# Altium PCB PCB1.PcbDoc (part 1 of 14)
Units mm, origin at the board's own origin, x right, y up, seen from the top; angles counter-clockwise.
Board outline 77.2 x 62.23 mm, 2 copper layers (Top Layer, Bottom Layer); 102 components, 131 nets, 23089 pads, 324 vias.
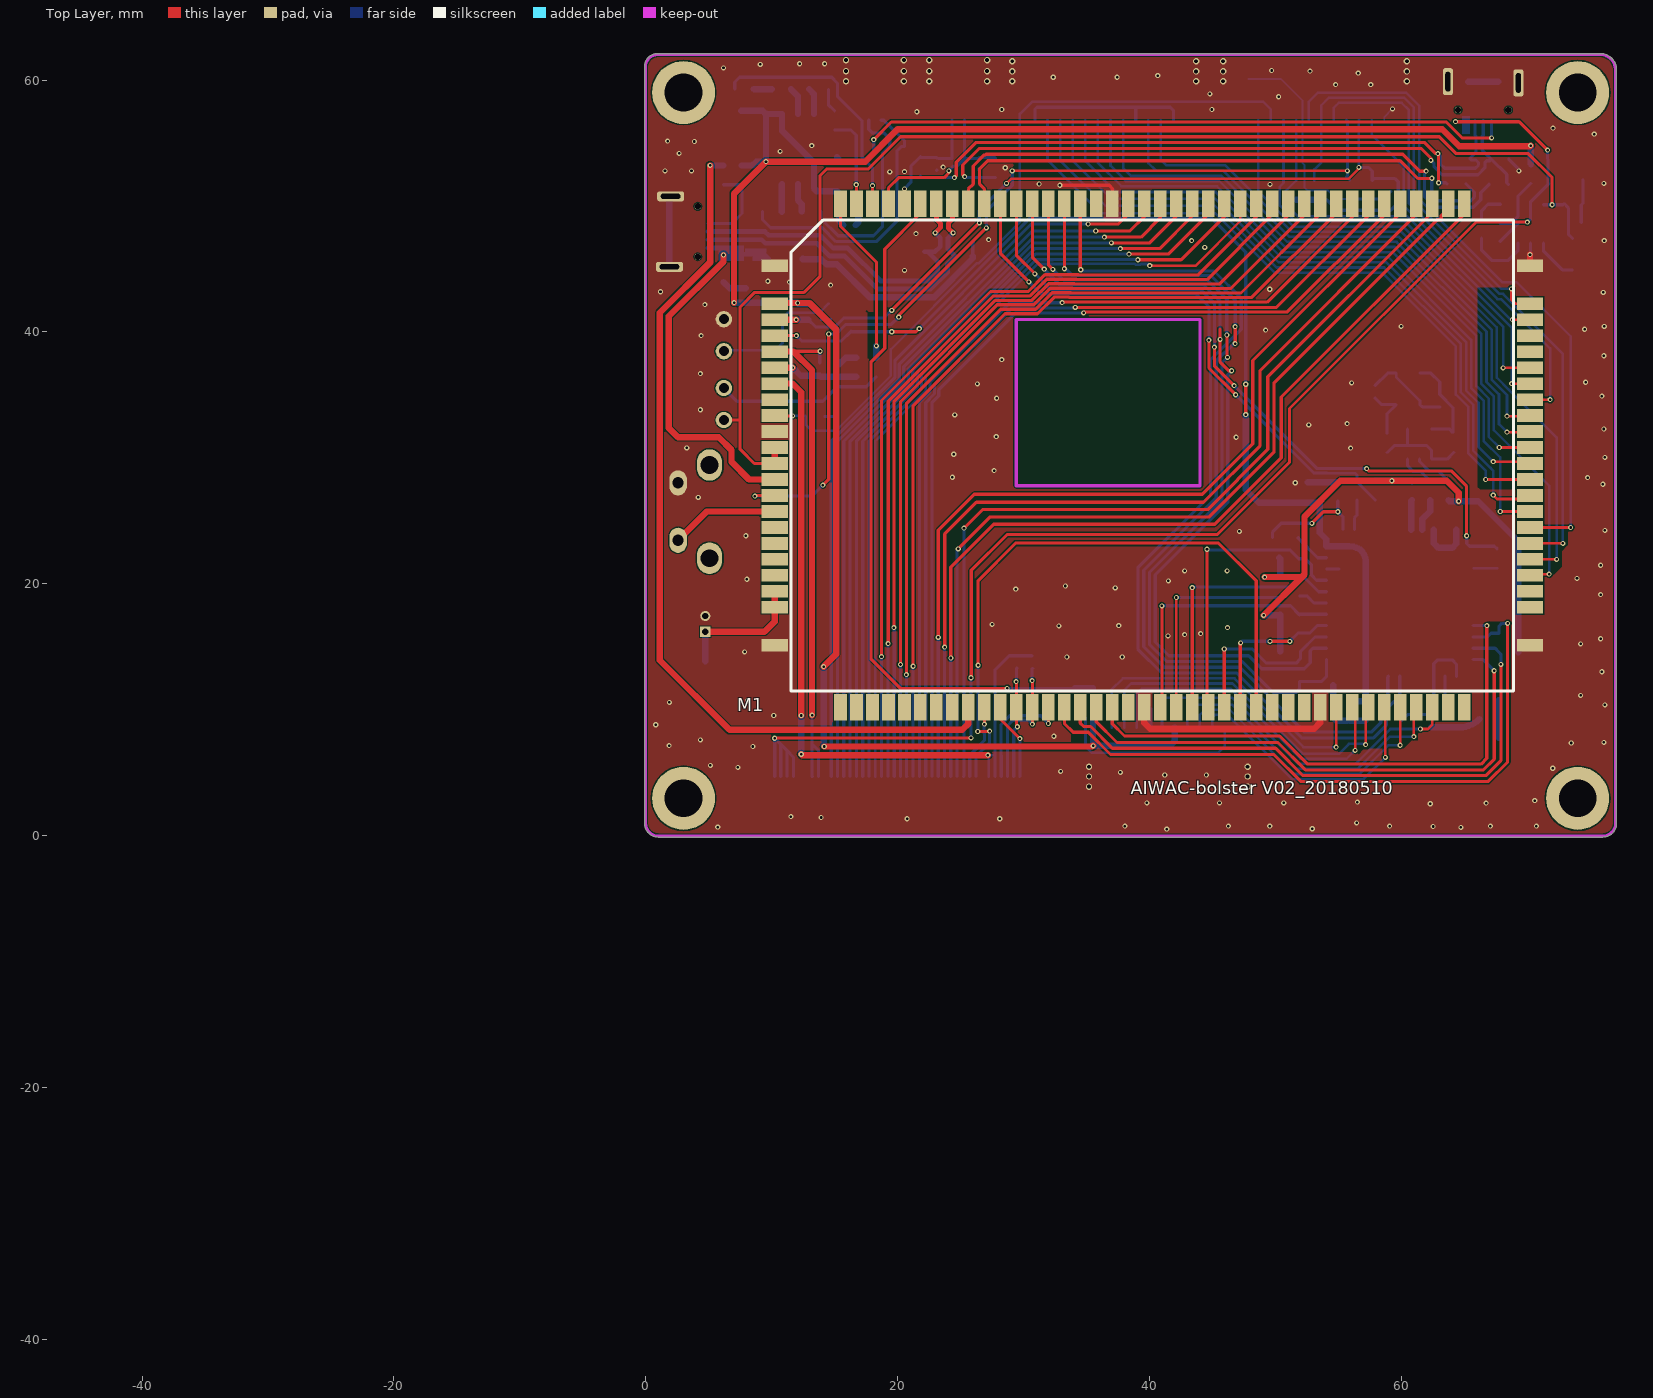
[diagram p0: Top Layer view]
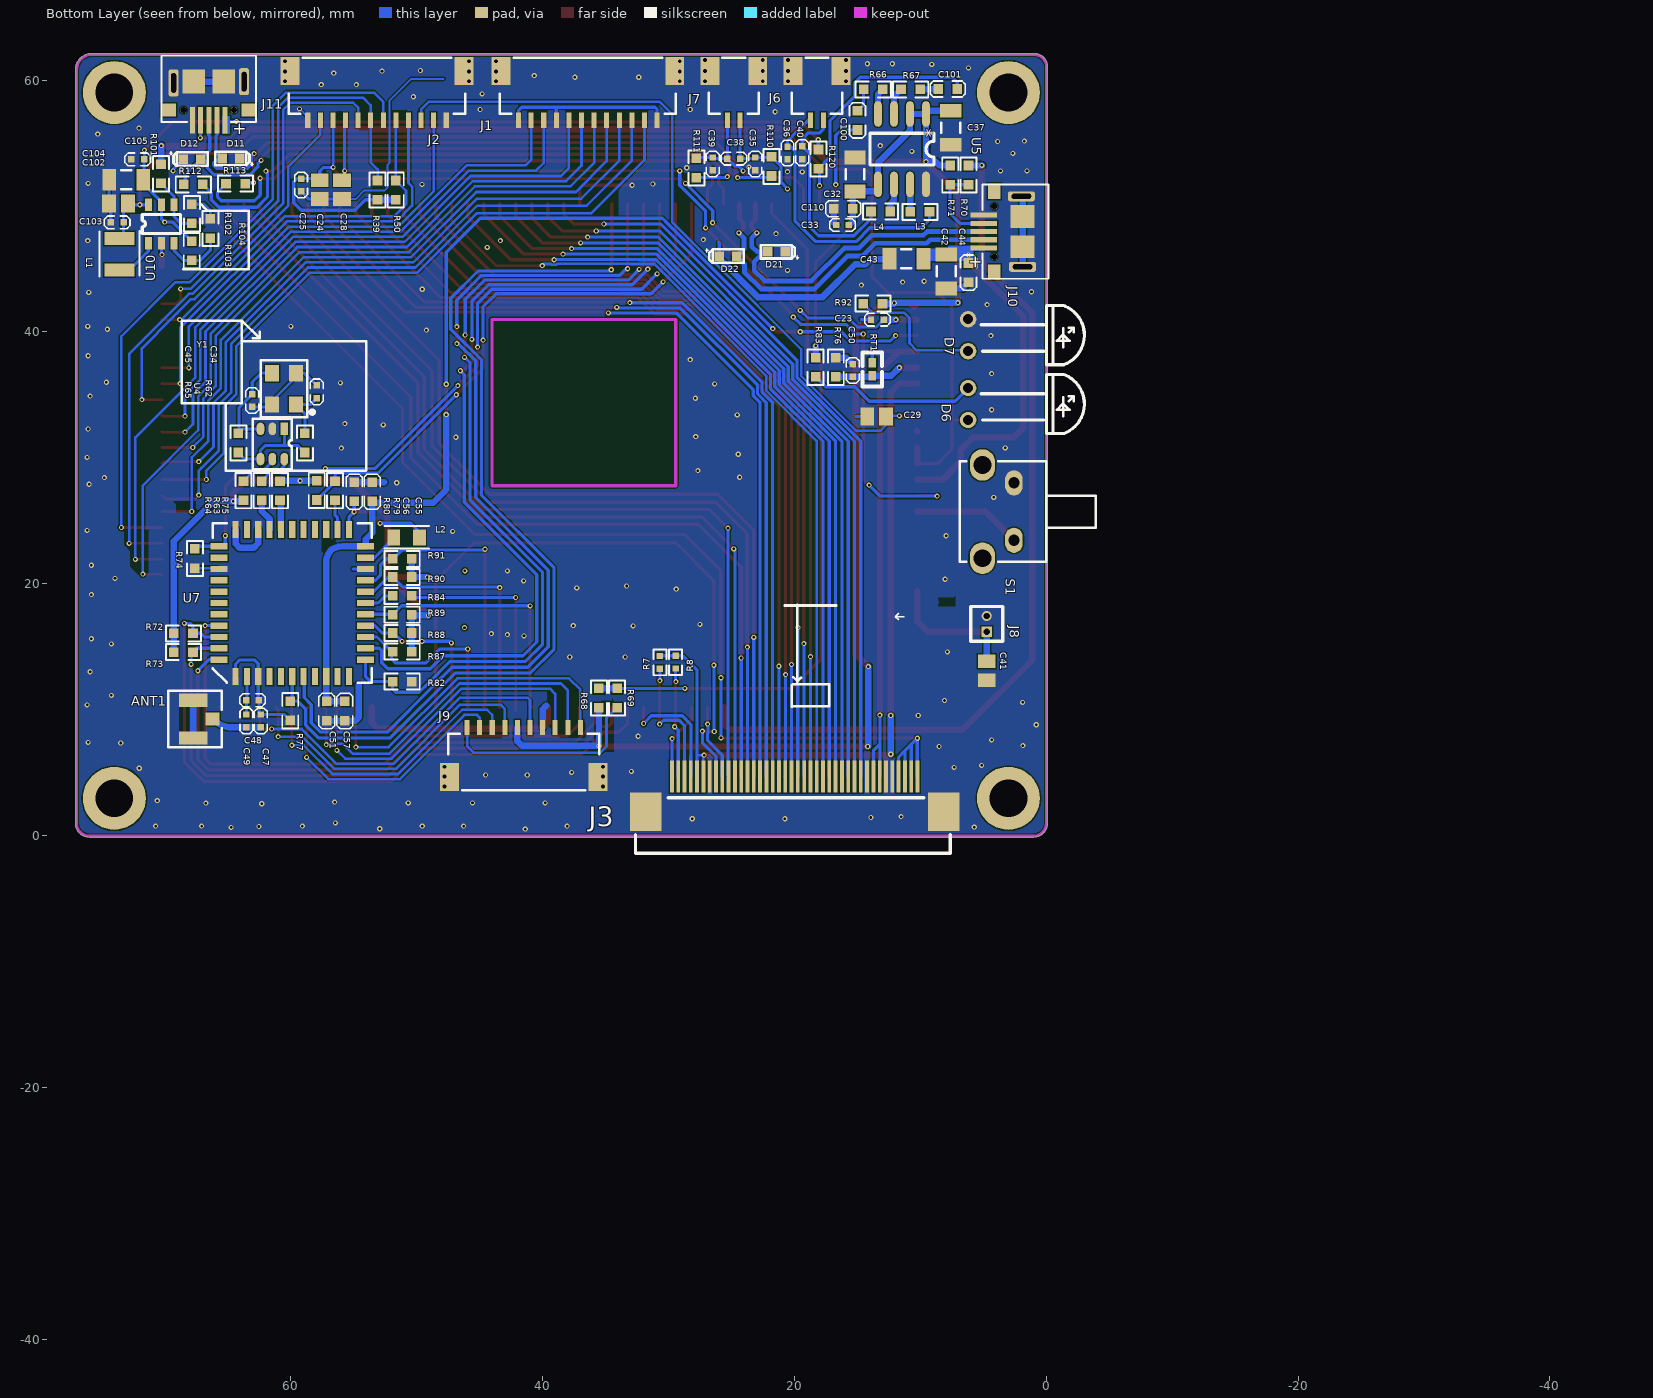
[diagram p1: Bottom Layer view, seen from below]
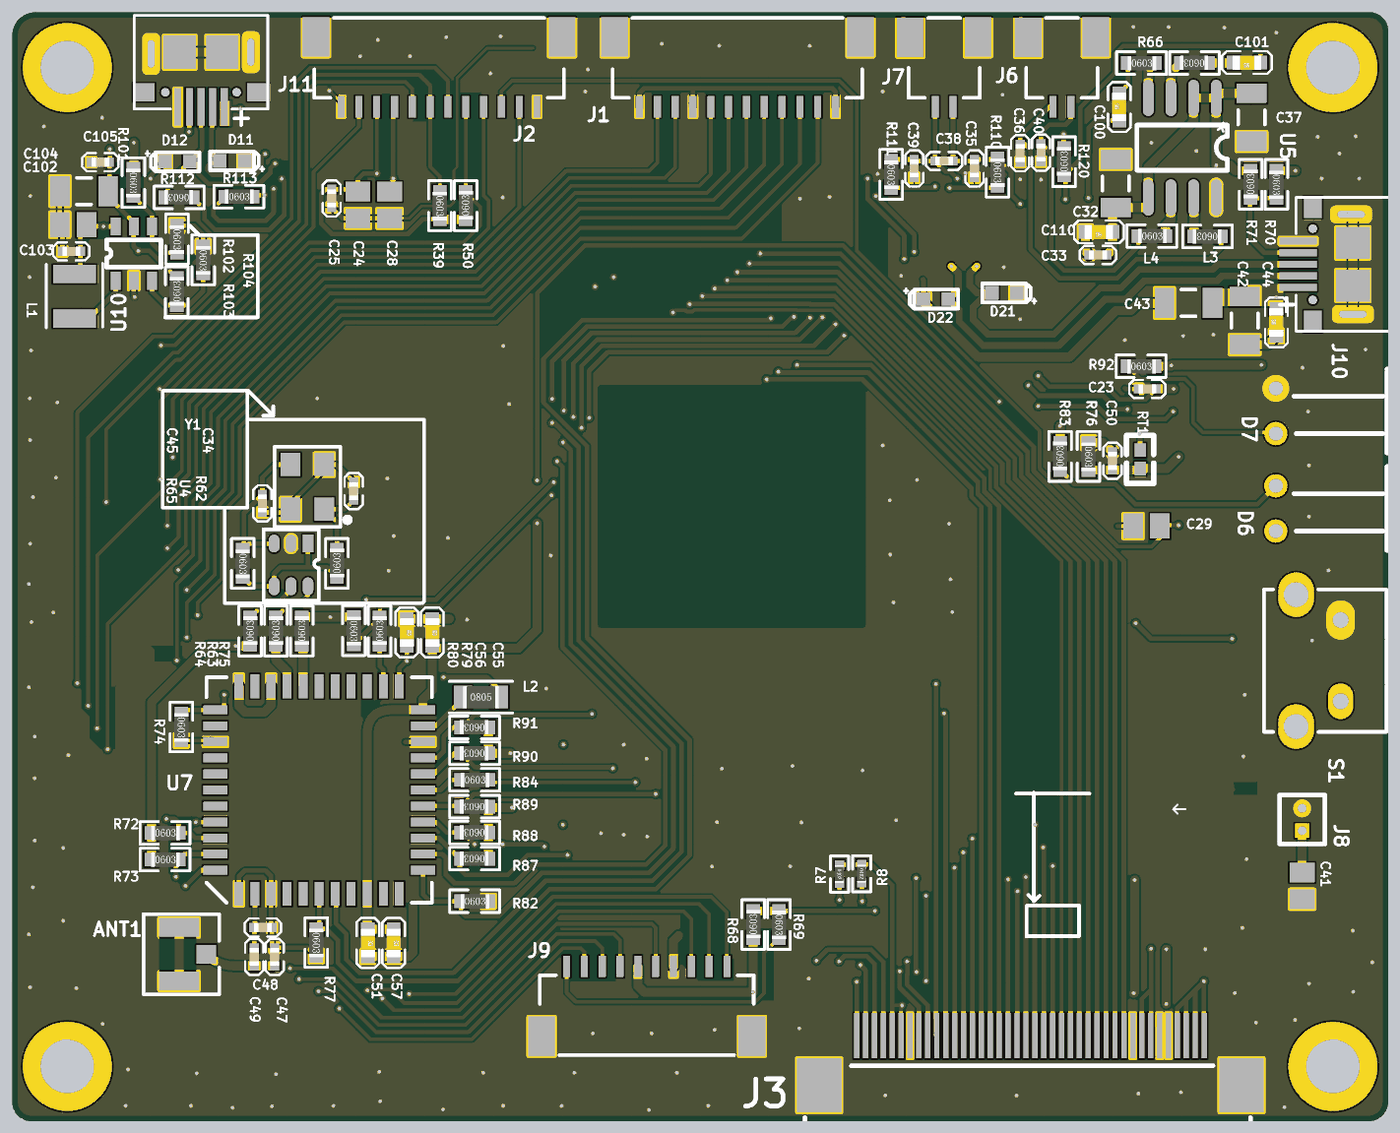
[diagram p15: 3D render of the assembled board from below, using the file's embedded part models]

## Layer stack, top to bottom
Top Solder: solder mask 0.0102, Solder Resist, Dk 3.5
Top Layer: signal copper 0.0356
Dielectric 1: dielectric 0.32, FR-4, Dk 4.8
Bottom Layer: signal copper 0.0356
Bottom Solder: solder mask 0.0102, Solder Resist, Dk 3.5

## Board outline
-0.1,0.958 cw(c0,0.97) -0.1,0.97 -0.1,61.003 cw(c0.948,61.057) 0.89,62.105 cw(c0.896,62.005) 0.896,62.106 75.745,62.106 cw(c75.806,60.811) 77.1,60.874 cw(c77,60.869) 77.1,60.869 77.1,0.948 cw(c76.026,0.948) 76.026,-0.126 0.996,-0.126 cw(c0.996,0.97) -0.1,0.947 cw(c0,0.949)

## Design rules (kind name [scope] priority, off if disabled: settings)
Clearance Clearance_1 [All] p1: gap=0.1
DiffPairsRouting [All] p1: maxlimit=0.254 minlimit=0.254 mostfreqgap=0.254 toplayer_minwidth=0.254 toplayer_maxwidth=0.381 toplayer_prefwidth=0.254 bottomlayer_minwidth=0.254 bottomlayer_maxwidth=0.381 bottomlayer_prefwidth=0.254 maxuncoupledlength=12.7
MinimumSolderMaskSliver [All] p1: minsoldermaskwidth=0.051
PlaneConnect [All] p1: planeconnectstyle=Direct reliefexpansion=0.508 reliefentries=4 reliefconductorwidth=0.254 reliefairgap=0.254
PolygonConnect [All] p1: connectstyle=Direct reliefconductorwidth=0.254 reliefentries=4 polygonreliefangle="90 Angle" airgapwidth=0.254
RoutingVias [All] p1: holewidth=0.203 width=0.406 viastyle="Through Hole" minholewidth=0.203 minwidth=0.406 maxholewidth=0.203 maxwidth=0.406
SilkToSilkClearance [All] p1: silktosilkclearance=0.051
SilkToSolderMaskClearance [IsPad] p1: minsilkscreentomaskgap=0.051 clearancetoexposedcopper=TRUE
SolderMaskExpansion [All] p1: expansion=0.102
Width [All] p1: maxlimit=0.508 minlimit=0.152 preferedwidth=0.254 minimp=50.000000 maximp=50.000000 favimp=50.000000
25 further rules are at their usual default settings.

## Classes and differential pairs
differential pair NewDifferentialPair1: +USB-DM1 -USB-DP1
differential pair 90: +USB-DM0 -USB-DP0

## Components (designator, comment, footprint, x,y, rotation, side; value= is the part's Value field where it differs from the comment)
ANT1 "IPEX" J-IPEX 67.742,10.744 r180 bottom
C23 "104J10V" C0402 12.903,40.97 r0 bottom
C24 "226M50V" C0805 57.709,51.293 r270 bottom
C25 "104J10V" C0402 59.182,52.172 r270 bottom
C28 "226M50V" C0805 55.931,51.293 r270 bottom
C29 "226M50V" C0805 13.462,33.274 r0 bottom
C32 "220UF 20%" C1206 15.189,52.502 r270 bottom
C33 "1UF" C0402 16.688,48.489 r180 bottom
C34 "220J10V" C0402 57.944,34.731 r90 bottom
C35 "33PF" C0402 23.114,52.832 r90 bottom
C36 "1NF" C0402 20.549,54.712 r270 bottom
C37 "220UF 20%" C1206 7.569,56.21 r90 bottom
C38 "100PF" C0402 24.308,53.759 r0 bottom
C39 "33PF" C0402 26.492,53.848 r270 bottom
C40 "1NF" C0402 19.38,54.737 r270 bottom
C41 "226K25V" C0805 4.724,13.081 r270 bottom
C42 "220UF 20%" C1206 7.95,44.804 r270 bottom
C43 "220UF 20%" C1206 11.104,45.795 r0 bottom
C44 "106K50V" C0603 6.172,43.94 r90 bottom
C45 "220J10V" C0402 63.068,35.052 r270 bottom
C47 "NC" C0402 62.382,9.601 r270 bottom
C48 "NC" C0402 62.535,10.744 r0 bottom
C49 "330J10V" C0402 63.525,9.601 r270 bottom
C50 "104J10V" C0402 15.367,36.424 r90 bottom
C51 "106K50V" C0603 57.15,10.643 r270 bottom
C55 "475K16V" C0603 53.543,28.067 r270 bottom
C56 "475K16V" C0603 54.966,28.067 r270 bottom
C57 "105K16V" C0603 55.702,10.643 r270 bottom
C100 "4.7NF" C0603 14.986,56.032 r90 bottom
C101 "4.7NF" C0603 7.061,59.284 r0 bottom
C102 "226M50V" C0805 73.685,50.19 r0 bottom
C103 "104J10V" C0402 74.295,48.692 r180 bottom
C104 "220UF 20%" C1206 73.076,52.07 r0 bottom
C105 "104J10V" C0402 72.669,53.696 r180 bottom
C110 "10UF" C0603 15.367,49.784 r0 bottom
D6 "发光二极管" LEDΦ5-H12 6.2,34.263 r270 bottom
D7 "发光二极管" LEDΦ5-H12 6.2,39.732 r270 bottom
D11 "ESDA_TR1/0603" HS_0603D 64.757,53.77 r0 bottom
D12 "ESDA_TR1/0603" HS_0603D 67.843,53.721 r180 bottom
D21 "ESDA_TR1/0603" HS_0603D 21.438,46.355 r0 bottom
D22 "ESDA_TR1/0603" HS_0603D 25.273,46.012 r180 bottom
J1 "SH1.0-T-1-LT-12A_卧式" J-SH1.0-T-1-LT-12A_卧式 30.909,56.805 r0 bottom
J2 "SH1.0-T-1-LT-12A_卧式" J-SH1.0-T-1-LT-12A_卧式 47.654,56.805 r0 bottom
J3 "LCD_40P" "LCD P40" 8.126,1.89 r0 bottom
J6 "SH1.0-T-1-LT-2A_卧式" J-SH1.0-T-1-LT-2A_卧式 17.704,56.805 r0 bottom
J7 "SH1.0-T-1-LT-2A_卧式" J-SH1.0-T-1-LT-2A_卧式 24.314,56.805 r0 bottom
J8 "S1.25-2P" S1.25-2P 4.724,16.18 r90 bottom
J9 "SH1.0-T-1-LT-10A_卧式" J-SH1.0-T-1-LT-10A_卧式 46,8.56 r180 bottom
J10 "USB-MINI-SOCKET" "MICRO-USB - 5.9" -0.179,44.214 r90 bottom
J11 "USB-MINI-SOCKET" "MICRO-USB - 5.9" 62.763,61.926 r0 bottom
L1 "10uH" L-2520 73.609,47.422 r270 bottom
L2 "3.3uH" L0805 51.816,23.673 r180 bottom
L3 "120R" R0603 9.271,49.53 r0 bottom
L4 "120R" R0603 13.919,49.555 r180 bottom
M1 "A33 CORE2" A33-CORE2 10.231,42.24 r0 top
R7 "4.7KF" R0402 30.683,14.249 r270 bottom
R8 "4.7KF" R0402 29.439,14.275 r270 bottom
R39 "100KF" R0603 53.111,52.019 r270 bottom
R50 "100KF" R0603 51.664,50.495 r90 bottom
R62 "100RF" R0603 58.884,30.413 r90 bottom
R63 "470RF" R0603 62.306,26.619 r90 bottom
R64 "3KF" R0603 63.754,26.619 r90 bottom
R65 "560KF" R0603 64.167,31.937 r270 bottom
R66 "150K" R0603 14.503,59.258 r180 bottom
R67 "150K" R0603 10.008,59.258 r0 bottom
R68 "100KF" R0603 35.525,10.15 r90 bottom
R69 "6.8KF" R0603 34.077,11.674 r270 bottom
R70 "1KF" R0603 6.172,53.213 r270 bottom
R71 "47KF" R0603 7.62,51.689 r90 bottom
R72 "10KF" R0603 69.291,16.053 r180 bottom
R73 "10KF" R0603 69.291,14.554 r180 bottom
R74 "100KF" R0603 67.615,22.758 r270 bottom
R75 "0R" R0603 60.858,26.619 r90 bottom
R76 "10KF" R0603 16.713,37.948 r270 bottom
R77 "100KF" R0603 60.043,10.665 r270 bottom
R79 "0R" R0603 56.49,26.619 r90 bottom
R80 "10KF" R0603 57.937,28.169 r270 bottom
R82 "100KF" R0603 51.918,12.217 r180 bottom
R83 "2.49KF" R0603 18.313,36.424 r90 bottom
R84 "33RF" R0603 51.918,19.025 r180 bottom
R87 "33KF" R0603 50.394,14.605 r0 bottom
R88 "33KF" R0603 50.394,16.078 r0 bottom
R89 "33KF" R0603 50.394,17.526 r0 bottom
R90 "33KF" R0603 50.394,20.523 r0 bottom
R91 "33KF" R0603 50.394,21.971 r0 bottom
R92 "100R" R0603 14.529,42.24 r180 bottom
R101 "1KF" R0603 70.307,53.315 r270 bottom
R102 "10KF" R0603 67.862,50.14 r270 bottom
R103 "430KF" R0603 67.869,45.669 r90 bottom
R104 "82KF" R0603 66.389,48.971 r270 bottom
R110 "0R NC" R0603 21.819,53.899 r270 bottom
R111 "0R NC" R0603 27.788,53.772 r270 bottom
R112 "0R  NC" R0603 66.98,51.714 r0 bottom
R113 "0R  NC" R0603 65.151,51.765 r180 bottom
R120 "0R NC" R0603 18.085,52.959 r90 bottom
RT1 "10KF" 0402 13.818,36.5 r90 bottom
S1 "KSMD6X6-4P" SW2-6*6H 3.815,25.721 r90 bottom
U4 "NL27WZU04" U-TSOP-6 60.509,32.293 r270 bottom
U5 "CS8508E" SO-8 9.55,57.302 r270 bottom
U7 "AP6210" AP6210 64.385,12.637 r90 bottom
U10 "PS7516" U-SOT-23-6 71.298,47.041 r0 bottom
Y1 "26MHz" Y-CPX-32GA-4P 59.595,34.223 r90 bottom

## Footprints (in the part's own frame and the unit in brackets; to place one, negate y for a bottom-side part, rotate by r counter-clockwise, add the part's x,y. Pads: shape width x height; smd on the part's side, far side on the other; paste and mask are expansions set on the pad)
0402 [mil]
  rect 30x25 smd: 1(0,0) 2(41,0)
  silkscreen extent -33,-30 73,30
A33-CORE2 [mm]
  rect 2.1x1 smd: 1(0,0) 2(0,-1.27) 3(0,-2.54) 4(0,-3.81) 5(0,-5.08) 6(0,-6.35) 7(0,-7.62) 8(0,-8.89) 9(0,-10.16) 10(0,-11.43) 11(0,-12.7) 12(0,-13.97) 13(0,-15.24) 14(0,-16.51) 15(0,-17.78) 16(0,-19.05) 17(0,-20.32) 18(0,-21.59) 19(0,-22.86) 20(0,-24.13) 61(60,-24.13) 62(60,-22.86) 63(60,-21.59) 64(60,-20.32) 65(60,-19.05) 66(60,-17.78) 67(60,-16.51) 68(60,-15.24) 69(60,-13.97) 70(60,-12.7) 71(60,-11.43) 72(60,-10.16) 73(60,-8.89) 74(60,-7.62) 75(60,-6.35) 76(60,-5.08) 77(60,-3.81) 78(60,-2.54) 79(60,-1.27) 80(60,0) 121(0,3) 122(0,-27.13) 123(60,-27.13) 124(60,3)
  rect 1x2.1 smd: 21(5.235,-32.065) 22(6.505,-32.065) 23(7.775,-32.065) 24(9.045,-32.065) 25(10.315,-32.065) 26(11.585,-32.065) 27(12.855,-32.065) 28(14.125,-32.065) 29(15.395,-32.065) 30(16.665,-32.065) 31(17.935,-32.065) 32(19.205,-32.065) 33(20.475,-32.065) 34(21.745,-32.065) 35(23.015,-32.065) 36(24.285,-32.065) 37(25.555,-32.065) 38(26.825,-32.065) 39(28.095,-32.065) 40(29.365,-32.065) 41(30.635,-32.065) 42(31.905,-32.065) 43(33.175,-32.065) 44(34.445,-32.065) 45(35.715,-32.065) 46(36.985,-32.065) 47(38.255,-32.065) 48(39.525,-32.065) 49(40.795,-32.065) 50(42.065,-32.065) 51(43.335,-32.065) 52(44.605,-32.065) 53(45.875,-32.065) 54(47.145,-32.065) 55(48.415,-32.065) 56(49.685,-32.065) 57(50.955,-32.065) 58(52.225,-32.065) 59(53.495,-32.065) 60(54.765,-32.065) 81(54.765,7.935) 82(53.495,7.935) 83(52.225,7.935) 84(50.955,7.935) 85(49.685,7.935) 86(48.415,7.935) 87(47.145,7.935) 88(45.875,7.935) 89(44.605,7.935) 90(43.335,7.935) 91(42.065,7.935) 92(40.795,7.935) 93(39.525,7.935) 94(38.255,7.935) 95(36.985,7.935) 96(35.715,7.935) 97(34.445,7.935) 98(33.175,7.935) 99(31.905,7.935) 100(30.635,7.935) 101(29.365,7.935) 102(28.095,7.935) 103(26.825,7.935) 104(25.555,7.935) 105(24.285,7.935) 106(23.015,7.935) 107(21.745,7.935) 108(20.475,7.935) 109(19.205,7.935) 110(17.935,7.935) 111(16.665,7.935) 112(15.395,7.935) 113(14.125,7.935) 114(12.855,7.935) 115(11.585,7.935) 116(10.315,7.935) 117(9.045,7.935) 118(7.775,7.935) 119(6.505,7.935) 120(5.235,7.935)
  Keep-Out Layer lines w0.254: 19.2,-14.465 19.2,-1.265 33.8,-1.265 33.8,-14.465 19.2,-14.465
  silkscreen extent 1.3,-30.76 58.7,6.63, body extent 0,-32.06 59.69,7.94, height 1.5
AP6210 [mm]
  rect 1.35x0.5 smd: 1(0,0) 2(0,-0.9) 3(0,-1.8) 4(0,-2.7) 5(0,-3.6) 6(0,-4.5) 7(0,-5.4) 8(0,-6.3) 9(0,-7.2) 10(0,-8.1) 11(0,-9) 23(11.65,-9) 24(11.65,-8.1) 25(11.65,-7.2) 26(11.65,-6.3) 27(11.65,-5.4) 28(11.65,-4.5) 29(11.65,-3.6) 30(11.65,-2.7) 31(11.65,-1.8) 32(11.65,-0.9) 33(11.65,0)
  rect 0.5x1.35 smd: 12(1.325,-10.325) 13(2.225,-10.325) 14(3.125,-10.325) 15(4.025,-10.325) 16(4.925,-10.325) 17(5.825,-10.325) 18(6.725,-10.325) 19(7.625,-10.325) 20(8.525,-10.325) 21(9.425,-10.325) 22(10.325,-10.325) 34(10.325,1.325) 35(9.425,1.325) 36(8.525,1.325) 37(7.625,1.325) 38(6.725,1.325) 39(5.825,1.325) 40(4.925,1.325) 41(4.025,1.325) 42(3.125,1.325) 43(2.225,1.325) 44(1.325,1.325)
  silkscreen extent -0.5,-10.82 12.15,1.83, body extent -0.2,-10.5 11.9,1.5, height 1.5
C0402 [mil]
  rect 20x20 smd: 1(0,0) 2(40,0)
  silkscreen extent -20,-20 60,20, body extent 0,-10 40,10, height 20
C0603 [mil]
  rect 30x30 smd: 1(0,0) 2(60,0)
  silkscreen extent -25,-25 85,25, body extent -1,-15 61,16, height 12
C0805 [mm] "Chip Capacitor, Body 2.0x1.3mm, IPC High Density"
  rect 1.1x1.4 smd: 1(-0.75,0) 2(0.75,0)
  body extent -1.1,-0.72 1.1,0.72, height 1.4
C1206 [mm] "Chip Capacitor, Body 3.2x1.6mm, IPC High Density"
  rect 1.1x1.7 smd: 1(-1.35,0) 2(1.35,0)
  silkscreen extent -0.4,-0.75 0.4,0.75, body extent -1.7,-0.9 1.7,0.9, height 1.3
HS_0603D [mil]
  rect 30x30 smd: 1(-27.5,0) 2(27.5,0)
  silkscreen extent -70,-21 49,23
J-IPEX [mm]
  rect 1.1x1.05 smd: 1(1.525,-1.5)
  rect 2.25x1.05 smd: 2(0,0) 3(0,-3)
  Top Layer pour cut-out: -1.125,-0.525 -1.125,-2.475 0.975,-2.475 0.975,-0.525
  silkscreen extent -2,-3.75 2.25,0.75
J-SH1.0-T-1-LT-2A_卧式 [mm]
  rect 0.4x1.2 smd: 1(0,0) 2(1,0)
  rect 1.5x2.22 smd: 3(-1.4,-3.92) 4(2.4,-3.9)
  silkscreen extent -1.5,-4.98 2.5,-0.5, body extent -1.5,-4.9 2.5,-0.5, height 3.05
J-SH1.0-T-1-LT-10A_卧式 [mm]
  rect 0.4x1.2 smd: 1(0,0) 2(1,0) 3(2,0) 4(3,0) 5(4,0) 6(5,0) 7(6,0) 8(7,0) 9(8,0) 10(9,0)
  rect 1.5x2.22 smd: 11(-1.4,-3.92) 12(10.4,-3.92)
  silkscreen extent -1.5,-4.98 10.5,-0.5
J-SH1.0-T-1-LT-12A_卧式 [mm]
  rect 0.4x1.2 smd: 1(0,0) 2(1,0) 3(2,0) 4(3,0) 5(4,0) 6(5,0) 7(6,0) 8(7,0) 9(8,0) 10(9,0) 11(10,0) 12(11,0)
  rect 1.5x2.22 smd: 13(-1.4,-3.92) 14(12.4,-3.92)
  silkscreen extent -1.5,-4.98 12.5,-0.5
L0805 [mil]
  rect 40x50 smd: 1(0,0) 2(80,0)
  silkscreen extent -30,-35 110,35, body extent 1,-25 79,25, height 22
L-2520 [mm] "10uH 叠层电感，700mA"
  rect 1.016x2.4 smd: 1(0,0) 2(2.5,0)
  silkscreen extent -0.59,-1.59 3.02,1.58, body extent 0.27,-0.65 2.27,0.61, height 2
"LCD P40" [mm] "0.5MM 下接"
  rect 0.3x2.54 smd: 1(2.1,-2.783) 2(2.6,-2.783) 3(3.1,-2.783) 4(3.6,-2.783) 5(4.1,-2.783) 6(4.6,-2.783) 7(5.1,-2.783) 8(5.6,-2.783) 9(6.1,-2.783) 10(6.6,-2.783) 11(7.1,-2.783) 12(7.6,-2.783) 13(8.1,-2.783) 14(8.6,-2.783) 15(9.1,-2.783) 16(9.6,-2.783) 17(10.1,-2.783) 18(10.6,-2.783) 19(11.1,-2.783) 20(11.6,-2.783) 21(12.1,-2.783) 22(12.6,-2.783) 23(13.1,-2.783) 24(13.6,-2.783) 25(14.1,-2.783) 26(14.6,-2.783) 27(15.1,-2.783) 28(15.6,-2.783) 29(16.1,-2.783) 30(16.6,-2.783) 31(17.1,-2.783) 32(17.6,-2.783) 33(18.1,-2.783) 34(18.6,-2.783) 35(19.1,-2.783) 36(19.6,-2.783) 37(20.1,-2.783) 38(20.6,-2.783) 39(21.1,-2.783) 40(21.6,-2.783)
  rect 2.5x3.048 smd: 41(23.7,0) 42(0,0)
  silkscreen extent -0.5,-1.1 24.5,3.3
LEDΦ5-H12 [mm] "LEDΦ5-12mm隔空90度插件"
  round 1.3 hole 0.8: A(1.27,0) K(-1.27,0)
  silkscreen extent -2.35,1.02 2.35,9.23
"MICRO-USB - 5.9" [mm]
  rect 1.2x1 smd: 0(0.55,4.307) 0(6.95,4.307)
  rect 0.4x2.1 smd: 1(2.45,5.132) 2(3.1,5.132) 3(3.75,5.132) 4(4.4,5.132) 5(5.05,5.132)
  rrect50% 0.8x2.15 hole 0.4 slot 1.55 at 90 deg: 6(0.95,2.057) 6(6.55,2.157)
  rect 1.8x1.9 smd: 6(2.556,2.057) 6(4.943,2.057)
  round 0.5 hole 0.5 unplated: ""(1.75,4.307) ""(5.75,4.307)
  silkscreen extent 0,0 7.5,5.25
R0402 [mil]
  rect 20x20 smd: 1(0,0) 2(40,0)
  silkscreen extent -20,-20 60,20, body extent 0,-10 40,10, height 14
R0603 [mil]
  rect 30x30 smd: 1(0,0) 2(60,0)
  silkscreen extent -25,-25 85,25, body extent 0,-16 62,15, height 18
S1.25-2P [mm]
  rect 0.8x0.8 hole 0.5: 1(0,0)
  round 0.8 hole 0.5: 2(1.25,0)
  silkscreen extent -0.75,-1.27 2,1.27, body extent -0.41,-0.41 0.39,0.39, height 8
SO-8 [mil]
  oval 80x24 smd: 1(0,0) 2(0,-50) 3(0,-100) 4(0,-150) 5(220,-150) 6(220,-100) 7(220,-50) 8(220,0)
  silkscreen extent 60,-175 160,25
SW2-6*6H [mm] "2脚按键-6*6 横按"
  oval 2.5x2 hole 1.4: 0(-3.7,1.25) 0(3.7,1.25)
  oval 2x1.4 hole 0.9: 1(2.28,-1.25) 2(-2.28,-1.25)
  silkscreen extent -4,-7.75 4,3.05, body extent -3.94,-7.83 4.06,3.05, height 7.1
U-SOT-23-6 [mil]
  rect 22x40 smd: 1(0,0) 2(-40,0) 3(-80,0) 4(-80,-120) 5(-40,-120) 6(0,-120)
  silkscreen extent -100,-90 20,-30, body extent -101,-127 19,10, height 59
U-TSOP-6 [mm]
  rect 1x0.6 smd: 1(0,0)
  oval 1x0.6 smd: 2(0,-0.95) 3(0,-1.9) 4(2.4,-1.9) 5(2.4,-0.95) 6(2.4,0)
  silkscreen extent -0.8,-2.5 3.2,0.6
Y-CPX-32GA-4P [mm]
  rect 1.3x1.1 smd: 1(0,0) 2(2.5,0) 3(2.5,1.9) 4(0,1.9)
  silkscreen extent -1,-1.44 3.5,2.8

## Part data
ANT1: library part J-IPEX, "天线接口IPEX"
C23 C25 C35 C38 C39 C50 C103 C105: library part C0402X7R-104J10V, "贴片电容-陶瓷"
C24 C28 C29 C102: library part C0805Y5V-226M50V, "贴片电容-陶瓷"
C32 C37 C42 C43 C104: library part "C1206-A型 极性电容", "C 1206钽电容 --220UF 10V 3216 A型 有极性电容 3.2mm X 1.6mm"
C33: library part C0402X7R-105J10V, "贴片电容-陶瓷"
C34 C36 C40 C45 C47 C48: library part C0402X7R-220J10V, "贴片电容-陶瓷"
C41: library part C0805X7R-226K25V, "贴片电容-陶瓷"
C44 C51: library part C0603X7R-106K50V, "贴片电容-陶瓷"
C49: library part C0402X7R-330J10V, "贴片电容-陶瓷"
C55 C56: library part C0603X7R-475K16V, "贴片电容-陶瓷"
C57: library part C0603X7R-105K16V, "贴片电容-陶瓷"
C100 C101 C110: library part C0603X7R-330J25V, "贴片电容-陶瓷"
D11 D12 D21 D22: library part "D Zener", "Zener Diode"
J8: library part O-CP-840-2P, "定制铜排"
J10 J11: library part J-USB-MINI-SOCKET, "USB-A卧式插座"
L1: library part L-2520-10uH, "贴片电感-层叠"
L2: library part L-0805-3.3uH, "贴片电感-层叠"
L3 L4 R71: library part R0603-47KF, "贴片电阻-通用"
R7 R8: library part R0402-4.7KF, "贴片电阻-通用"
R39 R50 R68 R74 R77 R82: library part R0603-100KF, "贴片电阻-通用"
R62: library part R0603-100RF, "贴片电阻-通用"
R63: library part R0603-470RF, "贴片电阻-通用"
R64 R83: library part R0603-3KF, "贴片电阻-通用"
R65: library part R0603-560KF, "贴片电阻-通用"
R66 R67 R72 R73 R76 R80 R102 R112 R113 RT1: library part R0603-10KF, "贴片电阻-通用"
R69: library part R0603-6.8KF, "贴片电阻-通用"
R70 R101: library part R0603-1KF, "贴片电阻-通用"
R75 R79: library part R0603-0R, "贴片电阻-通用"
R84: library part R0603-33RF, "贴片电阻-通用"
R87 R88 R89 R90 R91: library part R0603-33KF, "贴片电阻-通用"
R92 R110 R111 R120: library part R0603-2KF, "贴片电阻-通用"
R103: library part R0603-430KF, "贴片电阻-通用"
R104: library part R0603-82KF, "贴片电阻-通用"
S1: library part S-KSMD6X6-4P, "轻触按键"
Y1: library part YC-26MHz, "晶振-贴片无源"

## Free pads (board coordinates)
  round 5 hole 3: 0(3,2.946) 0(3,59.005) 0(74.016,59.005)
  round 5 hole 3 unplated: 0(74.016,2.946)